# Altium PCB RK_NVR_DEMO1_RK3588_LP4XD200P232SD8_V21_20211228_final_lint.PcbDoc (part 24 of 29)
Units mm, origin at the board's own origin, x right, y up, seen from the top; angles counter-clockwise.
Board outline 170.08 x 169.98 mm, 8 copper layers (TOP, L2-GND1, L3-POWER1, L4-S1, L5-GND2, L6-S2, L7-GND3, BOTTOM), stack 2.118 mm thick; 1650 components, 1119 nets, 6165 pads, 15417 vias.
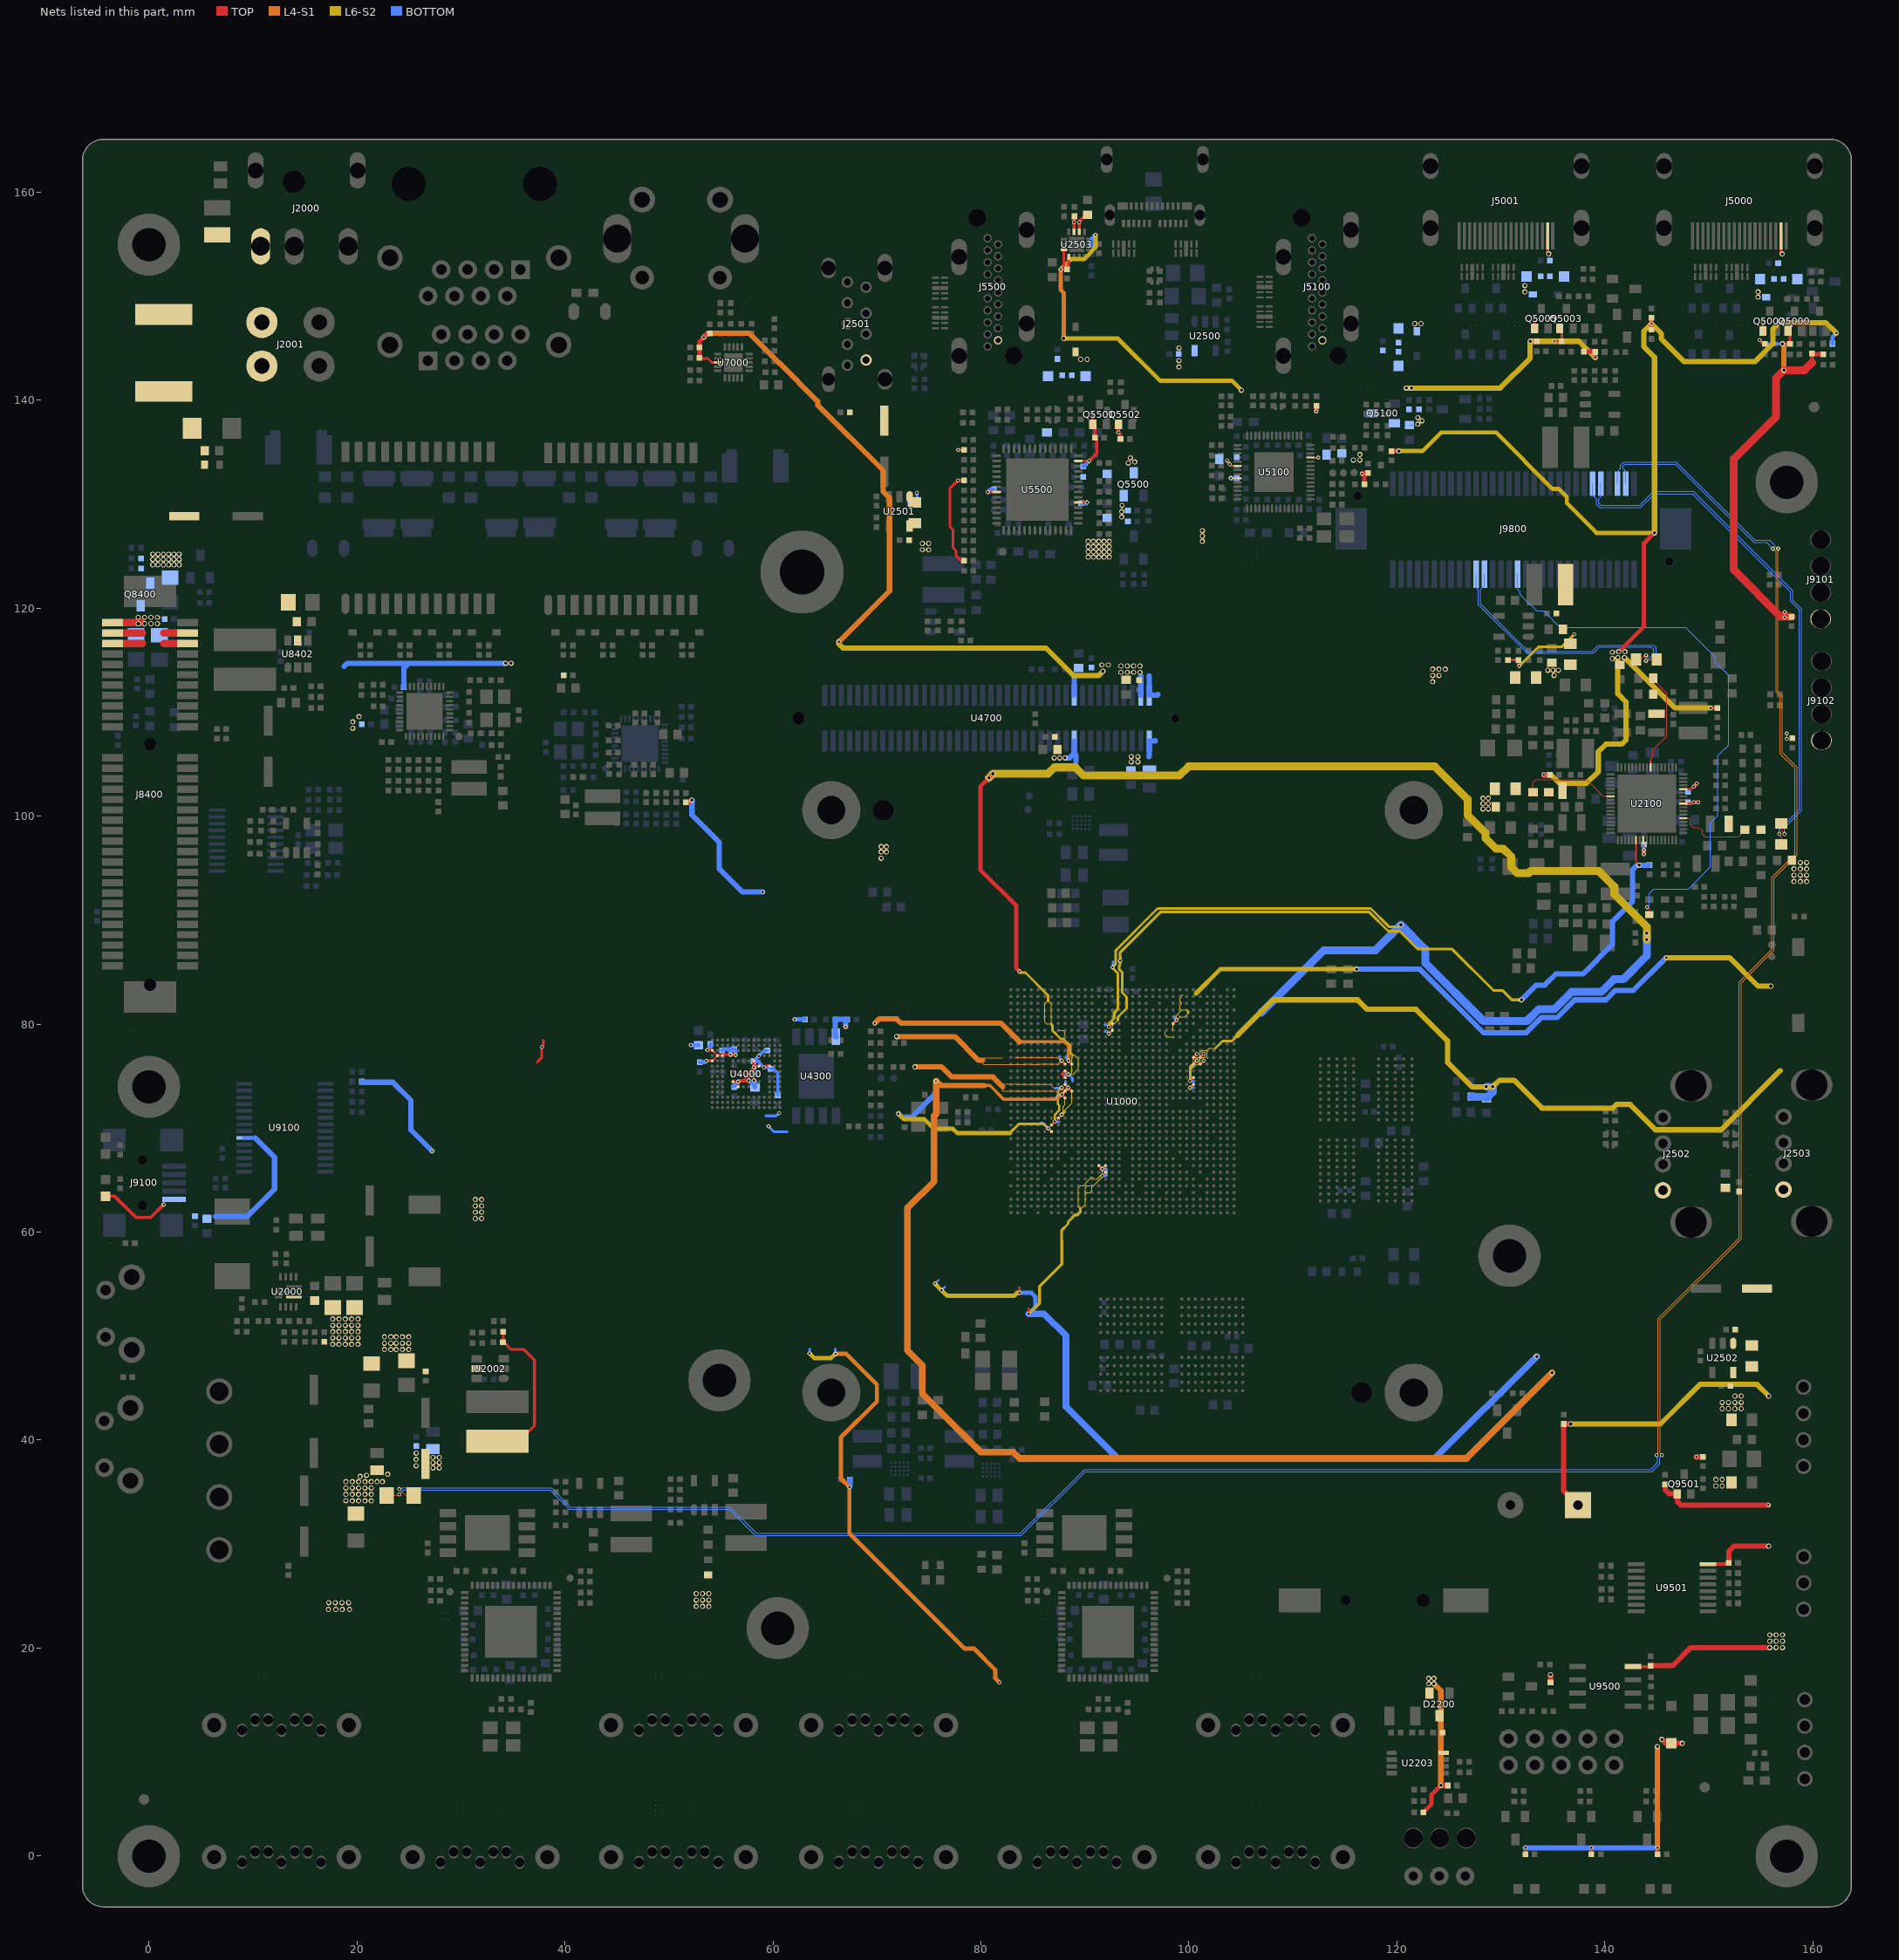
[diagram p30: the nets of this part, all layers, seen from the top]

## Via types
v1: diameter 0.4, hole 0.2, TOP to BOTTOM, 1688 vias
v2: diameter 0.4/0.4 (per signal layer), hole 0.2, TOP to L2-GND1, 1605 vias
v3: diameter 0/0/0/0/0/0/0/0.4 (per signal layer), hole 0.2, TOP to BOTTOM, 1253 vias
v4: diameter 0.4/0/0/0/0/0/0/0 (per signal layer), hole 0.2, TOP to BOTTOM, 1253 vias
v5: diameter 0.5, hole 0.3, TOP to BOTTOM, 857 vias
v6: diameter 0.4/0.4/0.4/0.4/0.4 (per signal layer), hole 0.2, L4-S1 to BOTTOM, 836 vias
v7: diameter 0/0/0/0/0/0/0/0.5 (per signal layer), hole 0.3, TOP to BOTTOM, 772 vias
v8: diameter 0.5/0/0/0/0/0/0/0 (per signal layer), hole 0.3, TOP to BOTTOM, 772 vias
v9: diameter 0.5/0.5 (per signal layer), hole 0.3, TOP to L2-GND1, 766 vias
v10: diameter 0.4/0.4 (per signal layer), hole 0.2, L7-GND3 to BOTTOM, 611 vias
v11: diameter 0.4/0.4/0.4/0.4 (per signal layer), hole 0.2, L5-GND2 to BOTTOM, 579 vias
v12: diameter 0.4 (per signal layer), hole 0.2, L6-S2 to L6-S2, 535 vias
v13: diameter 0.5/0.5/0.5/0.5/0.5 (per signal layer), hole 0.3, L4-S1 to BOTTOM, 457 vias
v14: diameter 0.5/0.5/0.5/0.5 (per signal layer), hole 0.3, L5-GND2 to BOTTOM, 455 vias
v15: diameter 0.4 (per signal layer), hole 0.2, L5-GND2 to L5-GND2, 418 vias
v16: diameter 0.5/0.5/0.5 (per signal layer), hole 0.3, TOP to L3-POWER1, 306 vias
v17: diameter 0.4 (per signal layer), hole 0.2, L4-S1 to L4-S1, 300 vias
v18: diameter 0.4/0.4/0.4 (per signal layer), hole 0.2, TOP to L3-POWER1, 287 vias
v19: diameter 0.5 (per signal layer), hole 0.3, L3-POWER1 to L3-POWER1, 242 vias
v20: diameter 0.5 (per signal layer), hole 0.3, L4-S1 to L4-S1, 240 vias
v21: diameter 0.5/0.5 (per signal layer), hole 0.3, L7-GND3 to BOTTOM, 192 vias
v22: diameter 0.5 (per signal layer), hole 0.3, L6-S2 to L6-S2, 166 vias
v23: diameter 0.4/0.4/0.4/0.4/0.4 (per signal layer), hole 0.2, TOP to L5-GND2, 134 vias
v24: diameter 0.5 (per signal layer), hole 0.3, L5-GND2 to L5-GND2, 114 vias
v25: diameter 0.5/0.5 (per signal layer), hole 0.3, L3-POWER1 to L4-S1, 111 vias
v26: diameter 0.4 (per signal layer), hole 0.2, L3-POWER1 to L3-POWER1, 93 vias
v27: diameter 0.4/0.4 (per signal layer), hole 0.2, L4-S1 to L5-GND2, 59 vias
v28: diameter 0.4/0.4/0/0/0.4/0/0.4/0.4 (per signal layer), hole 0.2, TOP to BOTTOM, 56 vias
v29: diameter 0.4/0/0/0.4/0/0/0/0.4 (per signal layer), hole 0.2, TOP to BOTTOM, 51 vias
v30: diameter 0.5/0.5 (per signal layer), hole 0.3, L4-S1 to L5-GND2, 46 vias
v31: diameter 0.4/0/0/0/0/0.4/0/0.4 (per signal layer), hole 0.2, TOP to BOTTOM, 42 vias
v32: diameter 0.5/0.5/0.5/0.5/0.5 (per signal layer), hole 0.3, TOP to L5-GND2, 32 vias
v33: diameter 0.4/0.4 (per signal layer), hole 0.2, L3-POWER1 to L4-S1, 29 vias
v34: diameter 0.4/0/0.4/0/0/0/0/0.4 (per signal layer), hole 0.2, TOP to BOTTOM, 29 vias
v35: diameter 0.4/0.4/0/0/0.4/0.4/0.4/0.4 (per signal layer), hole 0.2, TOP to BOTTOM, 21 vias
v36: diameter 0.5/0.5/0.5/0/0.5/0.5/0.5/0.5 (per signal layer), hole 0.3, TOP to BOTTOM, 4 vias
v37: diameter 0.5/0.5/0/0.5/0.5/0.5/0.5/0.5 (per signal layer), hole 0.3, TOP to BOTTOM, 3 vias
v38: diameter 0.4/0/0.4/0.4/0/0/0/0.4 (per signal layer), hole 0.2, TOP to BOTTOM, 2 vias
v39: diameter 0.4/0.4/0.4/0/0.4/0/0.4/0.4 (per signal layer), hole 0.2, TOP to BOTTOM, 1 vias

## Nets (pads, with @x,y where several pads share a name; then routed paths per layer and width w, separated by ;. In a path a pad name is that pad's centre, name@x,y a point inside that pad or via, vN(x,y) a via of type N, cw(c..) or ccw(c..) an arc to the next point about the centre after c; other vN are vias at no path point) (continued)
VCC5V0_SYS: C2035.1 C2503.1 C2506.1 C2511.1 C2517.1 C2518.1 C4700.1 C4701.1 D5000.1 D5002.1 D5003.1 D5005.1 D5100.1 D5101.1 D5500.1 D5501.1 J9800.5 Q5002.1 Q5005.1 R2001.1 R2024.2 R2513.1 R2526.1 R5010.1 R5022.1 R5120.1 R5540.1 R9900.1 R9905.1 U2500.5 U2501.5 U2502.5 U2503.12 U2503.13 U4700.77 U4700.79 | length 252.3
  TOP w0.102: R2024.2@22.872,34.684 23.969,34.684 v4(24.071,34.786)
  TOP w0.254: Q5005.1@133.245,146.905 v4(133.245,147.665) ; Q5002.1@155.191,146.651 v4(155.191,147.411)
  TOP w0.305: C2518.1@88.891,157.678 88.946,157.623 v4(88.946,157.112) U2503.13@88.946,156.188 ; U2503.12@89.446,156.188 89.446,157.17 C2517.1@90.009,157.733
  TOP w0.508: v4(148.792,38.385) R9905.1@149.445,38.385
  L4-S1 w0.102: v4(145.483,38.545) 145.33,38.697 145.33,51.6 153.103,59.373 153.103,83.96 156.252,87.11 156.252,94.018 158.487,96.254 158.487,104.686 157.065,106.109 157.065,111.595 156.659,112.002 v4(156.659,125.718)
  BOTTOM w0.102: v4(24.071,34.786) 24.477,35.192 38.599,35.192 40.428,33.363 55.77,33.363 58.31,30.823 83.896,30.823 90.042,36.97 144.517,36.97 145.279,37.732 145.279,38.342 v4(145.483,38.545) ; J9800.5@141.208,131.973 141.208,133.127 141.52,133.439 141.52,133.744 141.825,134.049 146.888,134.049 154.406,126.53 155.846,126.53 v4(156.659,125.718)
  BOTTOM w0.508: U4700.77@95.37,111.636 95.37,113.451 95.394,113.475 ; 96.156,113.475 96.169,113.461 U4700.79@96.169,111.636 96.984,111.636 97.045,111.697
  other v3: 24.071,34.786 148.792,38.385 145.483,38.545 156.659,125.718 155.191,147.411 133.245,147.665 88.946,157.112 89.454,157.112
  other v4: 89.454,157.112
  other v7: 19.549,34.151 20.159,34.151 20.769,34.151 21.378,34.151 18.94,34.176 18.94,34.786 19.549,34.786 20.159,34.786 20.769,34.786 21.378,34.786 18.94,35.395 19.549,35.395 20.159,35.395 20.769,35.395 21.378,35.395 18.94,36.005 19.549,36.005 20.159,36.005 20.769,36.005 21.378,36.005 21.937,36.005 22.445,36.005 20.311,36.512 20.921,36.614 22.953,36.716 151.274,43.015 151.883,43.015 152.493,43.015 153.103,43.015 151.274,43.625 151.883,43.625 152.493,43.625 153.103,43.625 152.493,44.234 153.103,44.234 93.463,113.83 94.073,113.83 94.683,113.83 95.292,113.83 93.463,114.44 94.073,114.44 94.683,114.44 95.292,114.44 90.314,124.905 90.822,124.905 91.33,124.905 91.838,124.905 92.346,124.905 90.314,125.413 90.822,125.413 91.33,125.413 91.838,125.413 92.346,125.413 74.363,125.616 74.972,125.616 90.314,125.921 90.822,125.921 91.33,125.921 91.838,125.921 92.346,125.921 74.363,126.226 74.972,126.226 90.314,126.429 90.822,126.429 91.33,126.429 91.838,126.429 92.346,126.429 99.052,143.193 99.051,143.802 89.603,143.919 90.212,143.92 99.052,145.022 121.708,147.358 122.318,147.358 154.728,149.898 132.3,150.406 154.728,150.406 132.3,151.016
  other v8: 19.549,34.151 20.159,34.151 20.769,34.151 21.378,34.151 18.94,34.176 18.94,34.786 19.549,34.786 20.159,34.786 20.769,34.786 21.378,34.786 18.94,35.395 19.549,35.395 20.159,35.395 20.769,35.395 21.378,35.395 18.94,36.005 19.549,36.005 20.159,36.005 20.769,36.005 21.378,36.005 21.937,36.005 22.445,36.005 20.311,36.512 20.921,36.614 22.953,36.716 151.274,43.015 151.883,43.015 152.493,43.015 153.103,43.015 151.274,43.625 151.883,43.625 152.493,43.625 153.103,43.625 152.493,44.234 153.103,44.234 93.463,113.83 94.073,113.83 94.683,113.83 95.292,113.83 93.463,114.44 94.073,114.44 94.683,114.44 95.292,114.44 90.314,124.905 90.822,124.905 91.33,124.905 91.838,124.905 92.346,124.905 90.314,125.413 90.822,125.413 91.33,125.413 91.838,125.413 92.346,125.413 74.363,125.616 74.972,125.616 90.314,125.921 90.822,125.921 91.33,125.921 91.838,125.921 92.346,125.921 74.363,126.226 74.972,126.226 90.314,126.429 90.822,126.429 91.33,126.429 91.838,126.429 92.346,126.429 99.052,143.193 99.051,143.802 89.603,143.919 90.212,143.92 99.052,145.022 121.708,147.358 122.318,147.358 154.728,149.898 132.3,150.406 154.728,150.406 132.3,151.016
  other v17: 145.483,38.545 156.659,125.718 88.946,157.112 89.454,157.112
  other v19: 19.549,34.151 20.159,34.151 20.769,34.151 21.378,34.151 18.94,34.176 18.94,34.786 19.549,34.786 20.159,34.786 20.769,34.786 21.378,34.786 18.94,35.395 19.549,35.395 20.159,35.395 20.769,35.395 21.378,35.395 18.94,36.005 19.549,36.005 20.159,36.005 20.769,36.005 21.378,36.005 21.937,36.005 22.445,36.005 20.311,36.512 20.921,36.614 22.953,36.716 151.274,43.015 151.883,43.015 152.493,43.015 153.103,43.015 151.274,43.625 151.883,43.625 152.493,43.625 153.103,43.625 152.493,44.234 153.103,44.234 74.363,125.616 74.972,125.616 74.363,126.226 74.972,126.226 99.052,143.193 99.051,143.802 99.052,145.022 121.708,147.358 122.318,147.358 154.728,149.898 132.3,150.406 154.728,150.406 132.3,151.016
  other v20: 93.463,113.83 94.073,113.83 94.683,113.83 95.292,113.83 93.463,114.44 94.073,114.44 94.683,114.44 95.292,114.44
  other v25: 90.314,124.905 90.822,124.905 91.33,124.905 91.838,124.905 92.346,124.905 90.314,125.413 90.822,125.413 91.33,125.413 91.838,125.413 92.346,125.413 90.314,125.921 90.822,125.921 91.33,125.921 91.838,125.921 92.346,125.921 90.314,126.429 90.822,126.429 91.33,126.429 91.838,126.429 92.346,126.429 89.603,143.919 90.212,143.92
  other v26: 24.071,34.786 148.792,38.385 155.191,147.411
VCC5V0_SYS_P: C2031.1 C2032.1 C2033.1 C2034.1 J9800.3 L2002.2 R2022.1 R2024.1 | length 256.6
  TOP w0.102: v4(24.071,35.294) 24.68,34.684 R2024.1@25.472,34.684
  TOP w0.254: L2002.2@33.519,39.896 35.582,39.896 37.075,41.39 37.075,47.689 36.059,48.705 34.84,48.705 34.136,49.409 R2022.1@34.034,49.409 34.071,49.446 C2031.1@34.071,50.432
  L4-S1 w0.102: v4(144.975,38.545) 145.127,38.697 145.127,51.685 152.899,59.457 152.899,84.044 156.049,87.194 156.049,94.103 158.284,96.338 158.284,104.585 156.862,106.007 156.862,111.511 156.455,111.917 156.455,125.413 v4(156.151,125.718)
  BOTTOM w0.102: v4(24.071,35.294) 24.274,35.294 24.375,35.395 38.701,35.395 40.53,33.566 55.871,33.566 58.411,31.026 83.811,31.026 89.958,37.173 144.416,37.173 145.076,37.834 145.076,38.443 v4(144.975,38.545) ; J9800.3@142.008,131.973 142.008,133.155 141.723,133.439 141.723,133.642 141.927,133.846 146.803,133.846 154.322,126.327 155.541,126.327 v4(156.151,125.718)
  other v3: 24.071,35.294 144.975,38.545 156.151,125.718
  other v7: 27.322,37.326 27.931,37.326 25.696,37.529 27.322,37.834 27.931,37.834 25.696,38.138 27.322,38.342 27.931,38.342 25.696,38.748
  other v8: 27.322,37.326 27.931,37.326 25.696,37.529 27.322,37.834 27.931,37.834 25.696,38.138 27.322,38.342 27.931,38.342 25.696,38.748
  other v17: 144.975,38.545 156.151,125.718
VCC5V0_USB20_HOST: C2512.1 C2513.1 C2515.1 J2502.1 J2503.1 R2526.2 R2529.1 U2502.1
VCC5V0_USB30_HOST2: C2507.1 C2508.1 J2501.1 R2513.2 R2515.1 U2501.1 | length 1.5
  BOTTOM w0.254: R2515.1@73.245,130.043 73.601,130.043 73.855,130.297 v4(73.855,131.102)
  other v3: 73.855,131.102
VCC5V_FT232_DEBUG: C9102.1 C9103.1 J9100.1 LED9100.1 U9100.20 | length 20.5
  TOP w0.305: LED9100.1@-4.174,63.449 -3.284,63.449 -1.24,61.405 0.171,61.405 v4(1.414,62.648)
  BOTTOM w0.305: U9100.20@9.159,69.057 10.22,69.057
  BOTTOM w0.508: 6.392,61.495 9.429,61.495 12.082,64.148 12.082,67.196 10.22,69.057
  other v3: 1.414,62.648
VCC5V_HDMI_TX0: C5000.1 D5002.2 J5000.18 R5010.2 | length 1.8
  TOP w0.305: J5000.18@156.937,155.791 156.937,154.174 v8(157.047,154.064)
  other v7: 157.047,154.064
VCC5V_HDMI_TX1: C5001.1 D5005.2 J5001.18 R5022.2 | length 1.8
  TOP w0.305: J5001.18@134.483,155.791 134.483,154.174 v8(134.594,154.064)
  other v7: 134.594,154.064
VCC5V_HDMI_TX2: C5102.1 D5100.2 J5100.18 R5120.2
VCC5V_HDMI_TX3: C5502.1 D5500.2 J5500.18 R5540.2
VCC12V_DCIN: C2000.1 C2001.1 C2007.1 C2009.1 C2010.1 C2027.1 C2028.1 C4702.1 C4703.1 C8429.1 C8430.1 C8432.1 C8433.1 D2000.2 F2000.2 Q8400.2 R2002.1 R2003.1 R2004.1 R8428.1 R9901.1 U2000.1 U2002.5 U4700.80 U8402.5 | length 2.1
  BOTTOM w0.508: 96.156,105.728 96.169,105.741 U4700.80@96.169,107.236 96.775,107.236 96.791,107.252
  other v7: 17.263,23.711 17.975,23.711 18.584,23.711 19.295,23.711 17.289,24.372 17.924,24.372 18.559,24.372 19.194,24.372 150.664,35.598 151.274,35.598 150.664,36.208 151.274,36.208 22.648,48.705 23.258,48.705 23.766,48.705 24.375,48.705 24.985,48.705 17.67,49.213 18.279,49.213 18.889,49.213 19.499,49.213 20.108,49.213 22.648,49.314 23.258,49.314 23.766,49.314 24.375,49.314 24.985,49.314 17.67,49.822 18.279,49.822 18.889,49.822 19.499,49.822 20.108,49.822 22.648,49.924 23.258,49.924 23.766,49.924 24.375,49.924 24.985,49.924 17.67,50.432 18.279,50.432 18.889,50.432 19.499,50.432 20.108,50.432 17.67,51.042 18.279,51.042 18.889,51.042 19.499,51.042 20.108,51.042 17.67,51.651 18.279,51.651 18.889,51.651 19.499,51.651 20.108,51.651 94.454,105.22 95.089,105.22 94.454,105.728 95.089,105.728 0.372,124.168 0.88,124.168 1.388,124.168 1.896,124.168 2.404,124.168 2.912,124.168 0.372,124.676 0.88,124.676 1.388,124.676 1.896,124.676 2.404,124.676 2.912,124.676 0.372,125.184 0.88,125.184 1.388,125.184 1.896,125.184 2.404,125.184 2.912,125.184
  other v8: 17.263,23.711 17.975,23.711 18.584,23.711 19.295,23.711 17.289,24.372 17.924,24.372 18.559,24.372 19.194,24.372 150.664,35.598 151.274,35.598 150.664,36.208 151.274,36.208 22.648,48.705 23.258,48.705 23.766,48.705 24.375,48.705 24.985,48.705 17.67,49.213 18.279,49.213 18.889,49.213 19.499,49.213 20.108,49.213 22.648,49.314 23.258,49.314 23.766,49.314 24.375,49.314 24.985,49.314 17.67,49.822 18.279,49.822 18.889,49.822 19.499,49.822 20.108,49.822 22.648,49.924 23.258,49.924 23.766,49.924 24.375,49.924 24.985,49.924 17.67,50.432 18.279,50.432 18.889,50.432 19.499,50.432 20.108,50.432 17.67,51.042 18.279,51.042 18.889,51.042 19.499,51.042 20.108,51.042 17.67,51.651 18.279,51.651 18.889,51.651 19.499,51.651 20.108,51.651 94.454,105.22 95.089,105.22 94.454,105.728 95.089,105.728 0.372,124.168 0.88,124.168 1.388,124.168 1.896,124.168 2.404,124.168 2.912,124.168 0.372,124.676 0.88,124.676 1.388,124.676 1.896,124.676 2.404,124.676 2.912,124.676 0.372,125.184 0.88,125.184 1.388,125.184 1.896,125.184 2.404,125.184 2.912,125.184
  other v19: 150.664,35.598 151.274,35.598 150.664,36.208 151.274,36.208
  other v20: 22.648,48.705 23.258,48.705 23.766,48.705 24.375,48.705 24.985,48.705 17.67,49.213 18.279,49.213 18.889,49.213 19.499,49.213 20.108,49.213 22.648,49.314 23.258,49.314 23.766,49.314 24.375,49.314 24.985,49.314 17.67,49.822 18.279,49.822 18.889,49.822 19.499,49.822 20.108,49.822 22.648,49.924 23.258,49.924 23.766,49.924 24.375,49.924 24.985,49.924 17.67,50.432 18.279,50.432 18.889,50.432 19.499,50.432 20.108,50.432 17.67,51.042 18.279,51.042 18.889,51.042 19.499,51.042 20.108,51.042 17.67,51.651 18.279,51.651 18.889,51.651 19.499,51.651 20.108,51.651 0.372,124.168 0.88,124.168 1.388,124.168 1.896,124.168 2.404,124.168 2.912,124.168 0.372,124.676 0.88,124.676 1.388,124.676 1.896,124.676 2.404,124.676 2.912,124.676 0.372,125.184 0.88,125.184 1.388,125.184 1.896,125.184 2.404,125.184 2.912,125.184
  other v22: 94.454,105.22 95.089,105.22 94.454,105.728 95.089,105.728 0.372,124.168 0.88,124.168 1.388,124.168 1.896,124.168 2.404,124.168 2.912,124.168 0.372,124.676 0.88,124.676 1.388,124.676 1.896,124.676 2.404,124.676 2.912,124.676 0.372,125.184 0.88,125.184 1.388,125.184 1.896,125.184 2.404,125.184 2.912,125.184
  other v25: 17.263,23.711 17.975,23.711 18.584,23.711 19.295,23.711 17.289,24.372 17.924,24.372 18.559,24.372 19.194,24.372
VCC12V_PCIE30: C8409.1 C8410.1 C8431.1 J8400.A2 J8400.A3 J8400.B1 J8400.B2 J8400.B3 Q8400.3 | length 13.2
  TOP w0.711: J8400.B3@-3.495,116.599 -0.618,116.599 ; J8400.B2@-3.495,117.599 -0.618,117.599 ; J8400.B1@-3.495,118.599 v7@-0.618,118.599 ; 1.414,116.599 J8400.A3@3.705,116.599 ; 1.414,117.599 J8400.A2@3.705,117.599
  other v7: -1.025,118.504 -0.415,118.504 0.195,118.504 0.804,118.504 -1.025,119.114 -0.415,119.114 0.195,119.114 0.804,119.114
  other v8: -1.025,118.504 -0.415,118.504 0.195,118.504 0.804,118.504 -1.025,119.114 -0.415,119.114 0.195,119.114 0.804,119.114
VCC12VDC: F2000.1 J2000.1 J2001.3 J2001.4 R2000.1
VCC_1V1_NLDO: C2024.1 C2167.1 C2171.1 R2010.2 R2014.2 U2100.9 U2100.13 | length 4.2
  TOP w0.203: U2100.9@147.538,101.203 148.298,101.203 148.426,101.331 v4(148.556,101.331) ; U2100.13@147.538,102.603 148.301,102.603 v4(148.543,102.845)
  TOP w0.381: v4(148.543,102.845) v4(148.835,103.137) ; v4(148.556,101.331) v4(148.962,101.331)
  BOTTOM w0.102: C2167.1@147.914,102.35 C2167.1@148.015,102.35 148.048,102.35 v4(148.543,102.845) v4(148.835,103.137)
  other v3: 148.556,101.331 148.962,101.331 148.543,102.845 148.835,103.137
  other v7: 135.119,113.526 134.51,114.034 135.018,114.034 135.526,114.034
  other v8: 135.119,113.526 134.51,114.034 135.018,114.034 135.526,114.034
VCC_1V1_NLDO_P: C2021.1 C2022.1 C2023.1 L2001.2 R2010.1 R2012.1 | length 8.1
  TOP w0.254: C2021.1@130.689,115.006 R2012.1@131.673,115.006 131.673,114.533 v4(131.767,114.44)
  L6-S2 w0.254: v4(131.767,114.44) 133.595,116.269 135.831,116.269 v4(137.05,117.488)
  other v3: 131.767,114.44 137.05,117.488
  other v12: 131.767,114.44 137.05,117.488
VCC_1V8: C1107.1 C1112.1 C1300.1 C1301.1 C1505.1 C1506.1 C1902.1 C1903.1 C2149.1 C3843.1 C4000.1 C4001.1 C4002.1 C4003.1 C4004.1 C4300.1 C4301.1 C4704.1 C4705.1 C7006.1 C7007.1 J9800.40 R1500.1 R1501.1 R1913.1 R1914.1 R1915.1 R1916.1 R2130.1 R2137.1 R2138.1 R3803.2 R4000.1 R4001.1 R4002.1 R4300.1 R4301.1 R5000.1 R5005.1 R5014.1 R5017.1 R5135.1 R6730.1 R7002.1 U1000.AA7 U1000.AC25 U1000.G20 U1000.H20 U1000.H21 U1000.N28 U1000.R27 U1000.V26 U1000.W25 U1000.Y26 U4000.C6 U4000.M4 U4000.N4 U4000.P3 U4000.P5 U4300.8 U4700.61 U7000.3 | length 608.3
  TOP w0.102: R2130.1@142.984,115.075 143.476,115.075 143.857,115.456 v4(143.959,115.456)
  TOP w0.203: U4000.P5@54.169,76.469 U4000.N4@54.668,76.969 ; U4000.P3@54.169,77.469 54.352,77.286 U4000.N4@54.668,76.969 ; v4(83.71,54.166) R1913.1@83.71,54.678 ; v4(84.599,52.134) R1914.1@84.599,52.646
  TOP w0.254: R1500.1@37.326,76.34 37.787,76.801 v4(37.787,77.813) 37.935,77.962 R1501.1@37.935,78.474 ; C7007.1@52.943,144.082 53.019,144.006 53.738,144.006 54.119,143.625 U7000.3@54.701,143.625 ; v4(53.611,76.465) 54.164,76.465 U4000.P5@54.169,76.469 ; v4(53.712,77.514) 54.124,77.514 U4000.P3@54.169,77.469 ; U4000.N4@54.668,76.969 U4000.M4@55.169,76.969 55.276,77.077 v4(55.922,77.077) 56.354,77.077 v4(56.405,77.026) ; v4(59.136,75.843) 59.263,75.969 U4000.C6@59.668,75.969 ; v4(86.466,69.981) U1000.N28@86.791,69.656 ; U1000.R27@87.441,70.956 v4(87.766,71.281) ; v4(87.766,73.231) U1000.V26@88.091,72.906 ; U1000.Y26@88.091,74.206 v4(88.416,73.881) U1000.W25@88.74,73.556 ; v4(88.416,76.481) U1000.AC25@88.74,76.156 ; U1000.H21@91.341,66.406 v4(91.666,66.081) ; v4(91.666,65.431) U1000.G20@91.991,65.756 v4(91.666,66.081) ; U1000.H20@91.991,66.406 v4(91.666,66.081) ; v4(100.116,74.531) U1000.AA7@100.44,74.856
  TOP w0.406: R6730.1@51.613,101.328 52.005,101.328 v8(52.214,101.537) ; C7007.1@52.943,144.082 C7006.1@52.943,145.072 52.943,145.631 v4(53.341,146.028) 53.712,146.4 R7002.1@53.941,146.4 ; R5135.1@119.473,135.108 v8(120.184,135.108) ; v8(141.317,115.812) 143.755,118.25 143.755,126.226 v8(144.771,127.242) ; R5014.1@144.467,146.792 v4(144.467,147.358) R5017.1@144.467,147.924 ; v4(150.189,110.394) R2137.1@150.817,110.394
  TOP w0.508: v4(134.129,103.977) R2138.1@134.695,103.977
  L4-S1 w0.305: 80.328,74.105 80.865,74.105 82.186,72.784 87.319,72.784 v4(87.766,73.231) v4(88.416,73.881) ; 83.724,78.296 88.028,78.296 88.416,77.908 v4(88.416,76.481)
  L4-S1 w0.508: v4(53.341,146.028) 53.756,146.444 57.7,146.444 60.545,143.599 60.596,143.599 64.304,139.891 64.304,139.535 70.603,133.236 70.603,131.204 71.213,130.594 71.213,121.654 v4(66.336,116.777) ; v4(69.791,80.074) 70.222,80.506 71.899,80.506 72.331,80.074 81.946,80.074 83.724,78.296 ; v4(75.683,74.511) 75.785,74.511 76.191,74.105 80.328,74.105
  L4-S1 w0.635: v4(75.683,74.511) 75.683,71.362 75.48,71.158 75.48,64.859 72.94,62.319 72.94,48.603 74.363,47.181 74.363,44.463 79.976,38.85 83.1,38.85 83.71,38.24 126.687,38.24 v8(134.916,46.47)
  L6-S2 w0.089: v4(87.766,71.281) 87.766,71.43 87.901,71.565 ; 89.808,64.455 89.581,64.455 89.391,64.265 89.391,62.768 89.39,62.767 89.39,62.456 89.552,62.294 89.679,62.294 90.041,62.656 90.041,62.696 90.041,63.64 ; 89.809,64.456 89.85,64.456 90.04,64.646 90.04,64.687 90.65,65.297 90.691,65.297 90.881,65.106 91.15,65.106 91.475,65.431 v4(91.666,65.431) ; v4(91.666,66.081) v4(91.666,65.431) ; 100.116,75.525 100.728,76.137 100.88,76.137 101.091,76.347 101.091,76.661 101.236,76.805 ; 100.116,75.652 100.441,75.977 100.441,76.615 100.631,76.805 101.109,76.805 ; 102.506,77.661 101.967,77.661 101.783,77.477 ; 87.901,71.565 87.901,72.073 88.09,72.262 88.09,72.906 v4(87.766,73.231) v4(88.416,73.881) 88.74,73.556 88.74,72.404 87.901,71.565 ; 90.041,63.64 90.207,63.806 90.5,63.806 90.69,63.997 90.69,64.265 90.675,64.28 90.675,64.319 90.72,64.364 90.72,64.453 ; 90.041,63.64 90.041,64.265 90.231,64.456 90.5,64.456 90.503,64.453 90.72,64.453 ; 90.72,64.453 90.822,64.453 91.666,65.297 v4(91.666,65.431) ; 101.109,76.805 101.236,76.805 ; 101.109,76.805 101.109,76.979 101.091,76.996 101.091,77.265 101.303,77.477 101.783,77.477 ; 101.236,76.805 101.549,76.805 101.741,76.997 101.741,77.265 101.783,77.307 101.783,77.477

## Text inside footprints (layer, text, board x,y; h text height)
L2100: PIN_NUMBER "2" at 141.596,108.054 h0.25 r270; PIN_NUMBER "1" at 141.596,109.853 h0.25 r270; ASSEMBLY_TOP "0.47uH" at 141.215,108.954 h0.25 r90
L2101: PIN_NUMBER "1" at 138.529,95.746 h0.25 r180; PIN_NUMBER "2" at 136.129,95.746 h0.25 r180; ASSEMBLY_TOP "0.22uH" at 136.821,95.619 h0.25
L2102: PIN_NUMBER "2" at 137.619,99.378 h0.25; PIN_NUMBER "1" at 135.82,99.378 h0.25; ASSEMBLY_TOP "0.47uH" at 136.212,99.251 h0.25
L2103: PIN_NUMBER "1" at 138.275,106.033 h0.25 r180; PIN_NUMBER "2" at 135.875,106.033 h0.25 r180; ASSEMBLY_TOP "0.22uH" at 136.567,105.906 h0.25
L2104: PIN_NUMBER "2" at 148.748,95.441 h0.25 r180; PIN_NUMBER "1" at 150.548,95.441 h0.25 r180; ASSEMBLY_TOP "0.47uH" at 149.14,95.314 h0.25
L2105: PIN_NUMBER "1" at 140.885,94.914 h0.25 r270; PIN_NUMBER "2" at 140.885,92.513 h0.25 r270; ASSEMBLY_TOP "0.22uH" at 140.504,93.714 h0.25 r90
L2106: PIN_NUMBER "2" at 150.018,99.251 h0.25 r180; PIN_NUMBER "1" at 151.818,99.251 h0.25 r180; ASSEMBLY_TOP "0.47uH" at 150.41,99.124 h0.25
L2107: PIN_NUMBER "1" at 148.378,108.007 h0.25 r90; PIN_NUMBER "2" at 148.378,110.408 h0.25 r90; ASSEMBLY_TOP "0.22uH" at 147.997,109.208 h0.25 r90
L2108: PIN_NUMBER "2" at 144.848,108.054 h0.25 r270; PIN_NUMBER "1" at 144.848,109.853 h0.25 r270; ASSEMBLY_TOP "0.47uH" at 144.467,108.954 h0.25 r90
L2109: PIN_NUMBER "1" at 137.619,102.451 h0.25 r180; PIN_NUMBER "2" at 135.82,102.451 h0.25 r180; ASSEMBLY_TOP "0.47uH" at 136.212,102.324 h0.25
L2200: PIN_NUMBER "1" at 77.817,37.954 h0.25 r90; PIN_NUMBER "2" at 77.817,40.355 h0.25 r90; ASSEMBLY_TOP "0.22uH" at 77.792,37.884 h0.25 r90
L2201: PIN_NUMBER "1" at 68.978,37.954 h0.25 r90; PIN_NUMBER "2" at 68.978,40.355 h0.25 r90; ASSEMBLY_TOP "0.22uH" at 68.952,37.884 h0.25 r90
L2202: PIN_NUMBER "2" at 92.651,96.273 h0.25 r270; PIN_NUMBER "1" at 92.651,98.673 h0.25 r270; ASSEMBLY_TOP "0.22uH" at 92.879,98.743 h0.25 r270
L2500: PIN_NUMBER "4" at 96.888,151.356 h0.25 r270; PIN_NUMBER "2" at 96.338,151.356 h0.25 r270; PIN_NUMBER "1" at 96.338,152.606 h0.25 r270; PIN_NUMBER "3" at 96.888,152.606 h0.25 r270; ASSEMBLY_TOP "NC" at 96.638,151.981 h0.25 r90
L2501: PIN_NUMBER "3" at 73.681,144.326 h0.25 r270; PIN_NUMBER "1" at 74.231,144.326 h0.25 r270; PIN_NUMBER "2" at 74.231,143.076 h0.25 r270; PIN_NUMBER "4" at 73.681,143.076 h0.25 r270; ASSEMBLY_TOP "NC" at 73.982,143.701 h0.25 r270
L2502: PIN_NUMBER "1" at 140.692,68.323 h0.25 r90; PIN_NUMBER "3" at 140.142,68.323 h0.25 r90; PIN_NUMBER "4" at 140.142,69.574 h0.25 r90; PIN_NUMBER "2" at 140.692,69.574 h0.25 r90; ASSEMBLY_TOP "NC" at 140.442,68.949 h0.25 r90
L2503: PIN_NUMBER "1" at 152.249,68.298 h0.25 r90; PIN_NUMBER "3" at 151.699,68.298 h0.25 r90; PIN_NUMBER "2" at 152.249,69.548 h0.25 r90; PIN_NUMBER "4" at 151.699,69.548 h0.25 r90; ASSEMBLY_TOP "NC" at 151.999,68.923 h0.25 r90
L5100: PIN_NUMBER "2" at 108.212,139.291 h0.25 r270; PIN_NUMBER "4" at 108.762,139.291 h0.25 r270; PIN_NUMBER "1" at 108.212,140.541 h0.25 r270; PIN_NUMBER "3" at 108.762,140.541 h0.25 r270; ASSEMBLY_TOP "NC" at 108.512,139.916 h0.25 r90
L5101: PIN_NUMBER "2" at 134.635,135.471 h0.25 r180; PIN_NUMBER "1" at 137.635,135.471 h0.25 r180; ASSEMBLY_TOP "2.2uH" at 135.729,135.344 h0.25
L5500: PIN_NUMBER "1" at 86.56,139.246 h0.25 r270; PIN_NUMBER "4" at 87.111,137.996 h0.25 r270; PIN_NUMBER "2" at 86.56,137.996 h0.25 r270; PIN_NUMBER "3" at 87.111,139.246 h0.25 r270; ASSEMBLY_TOP "NC" at 86.861,138.621 h0.25 r90
L5501: PIN_NUMBER "1" at 76.293,121.271 h0.25 r90; PIN_NUMBER "2" at 76.293,124.271 h0.25 r90; ASSEMBLY_TOP "2.2uH" at 76.014,122.771 h0.25 r270
L6700: PIN_NUMBER "1" at 43.527,101.901 h0.25; PIN_NUMBER "2" at 43.527,99.801 h0.25; ASSEMBLY_TOP "2.2uH" at 43.121,100.724 h0.25
L6800: PIN_NUMBER "1" at 30.675,104.72 h0.25; PIN_NUMBER "2" at 30.675,102.62 h0.25; ASSEMBLY_TOP "2.2uH" at 30.268,103.543 h0.25
L8200: PIN_NUMBER "2" at 57.314,30.105 h0.25 r270; PIN_NUMBER "1" at 57.314,33.105 h0.25 r270; ASSEMBLY_TOP "2.2uH" at 57.034,31.605 h0.25 r90
L8201: PIN_NUMBER "2" at 46.29,29.953 h0.25 r270; PIN_NUMBER "1" at 46.29,32.953 h0.25 r270; ASSEMBLY_TOP "2.2uH" at 46.011,31.453 h0.25 r90
L8400: PIN_NUMBER "2" at 9.135,113.15 h0.25 r270; PIN_NUMBER "1" at 9.135,116.949 h0.25 r270; ASSEMBLY_TOP "4.7uH" at 8.729,114.923 h0.25
LED2000: PIN_NUMBER "2" at -4.276,69.114 h0.25 r90; PIN_NUMBER "1" at -4.276,67.513 h0.25 r90; Top Overlay "LED_GREEN" at -4.174,68.314 h0.25 r90; ASSEMBLY_TOP "LED_GREEN" at -4.962,68.314 h0.25 r90
LED9000: PIN_NUMBER "2" at 131.551,-3.146 h0.25 r180; PIN_NUMBER "1" at 133.151,-3.146 h0.25 r180; Top Overlay "LED_BLUE" at 132.452,-3.146 h0.25 r180; ASSEMBLY_TOP "LED_BLUE" at 131.64,-3.273 h0.25
LED9001: PIN_NUMBER "2" at 144.251,-3.146 h0.25 r180; PIN_NUMBER "1" at 145.851,-3.146 h0.25 r180; Top Overlay "LED_GREEN" at 145.152,-3.146 h0.25 r180; ASSEMBLY_TOP "LED_GREEN" at 144.238,-3.273 h0.25
LED9002: PIN_NUMBER "2" at 137.901,-3.146 h0.25 r180; PIN_NUMBER "1" at 139.501,-3.146 h0.25 r180; Top Overlay "LED_GREEN" at 138.802,-3.146 h0.25 r180; ASSEMBLY_TOP "LED_GREEN" at 137.888,-3.273 h0.25
LED9100: PIN_NUMBER "1" at -4.276,63.449 h0.25 r90; PIN_NUMBER "2" at -4.276,65.05 h0.25 r90; Top Overlay "LED_RED" at -4.174,64.25 h0.25 r90; ASSEMBLY_TOP "LED_RED" at -4.758,64.25 h0.25 r90
M9900: PIN_NUMBER "1" at 159.716,139.332 h0.99 r180
M9901: PIN_NUMBER "1" at 149.197,6.613 h0.99 r180
M9902: PIN_NUMBER "1" at 149.197,6.613 h0.99
M9903: PIN_NUMBER "1" at 159.716,139.332 h0.99
M9904: PIN_NUMBER "1" at -0.866,5.445 h0.99
M9905: PIN_NUMBER "1" at -0.866,5.445 h0.99 r180
Q1700: PIN_NUMBER "2" at 151.241,144.376 h0.25 r180; PIN_NUMBER "1" at 152.541,144.376 h0.25 r180; PIN_NUMBER "3" at 151.891,146.276 h0.25 r180; ASSEMBLY_TOP "WNM6002-3/TR" at 150.9,145.326 h0.25 r270
Q1701: PIN_NUMBER "2" at 148.269,148.847 h0.25 r180; PIN_NUMBER "1" at 149.569,148.847 h0.25 r180; PIN_NUMBER "3" at 148.919,150.747 h0.25 r180; ASSEMBLY_TOP "WNM6002-3/TR" at 147.929,149.797 h0.25 r270
Q1702: PIN_NUMBER "2" at 148.269,144.427 h0.25 r180; PIN_NUMBER "1" at 149.569,144.427 h0.25 r180; PIN_NUMBER "3" at 148.919,146.327 h0.25 r180; ASSEMBLY_TOP "WNM6002-3/TR" at 147.929,145.377 h0.25 r270
Q1703: PIN_NUMBER "2" at 151.241,148.847 h0.25 r180; PIN_NUMBER "1" at 152.541,148.847 h0.25 r180; PIN_NUMBER "3" at 151.891,150.747 h0.25 r180; ASSEMBLY_TOP "WNM6002-3/TR" at 150.9,149.797 h0.25 r270
Q1704: PIN_NUMBER "2" at 128.787,144.376 h0.25 r180; PIN_NUMBER "1" at 130.087,144.376 h0.25 r180; PIN_NUMBER "3" at 129.437,146.276 h0.25 r180; ASSEMBLY_TOP "WNM6002-3/TR" at 128.447,145.326 h0.25 r270
Q1705: PIN_NUMBER "2" at 125.816,148.847 h0.25 r180; PIN_NUMBER "3" at 126.466,150.747 h0.25 r180; PIN_NUMBER "1" at 127.116,148.847 h0.25 r180; ASSEMBLY_TOP "WNM6002-3/TR" at 125.475,149.797 h0.25 r270
Q1706: PIN_NUMBER "2" at 125.816,144.427 h0.25 r180; PIN_NUMBER "1" at 127.116,144.427 h0.25 r180; PIN_NUMBER "3" at 126.466,146.327 h0.25 r180; ASSEMBLY_TOP "WNM6002-3/TR" at 125.475,145.377 h0.25 r270
Q1707: PIN_NUMBER "2" at 128.787,148.847 h0.25 r180; PIN_NUMBER "1" at 130.087,148.847 h0.25 r180; PIN_NUMBER "3" at 129.437,150.747 h0.25 r180; ASSEMBLY_TOP "WNM6002-3/TR" at 128.447,149.797 h0.25 r270
Q5000: PIN_NUMBER "1" at 157.493,146.651 h0.25; PIN_NUMBER "2" at 158.793,146.651 h0.25; PIN_NUMBER "3" at 158.143,148.551 h0.25; ASSEMBLY_TOP "2SK3018" at 157.661,147.601 h0.25 r90
Q5001: PIN_NUMBER "2" at 161.2,146.651 h0.25; PIN_NUMBER "3" at 160.55,148.551 h0.25; PIN_NUMBER "1" at 159.9,146.651 h0.25; ASSEMBLY_TOP "2SK3018" at 160.067,147.601 h0.25 r90
Q5002: PIN_NUMBER "3" at 155.739,148.551 h0.25; PIN_NUMBER "2" at 156.389,146.651 h0.25; PIN_NUMBER "1" at 155.089,146.651 h0.25; ASSEMBLY_TOP "2SK3018" at 155.257,147.601 h0.25 r90
Q5003: PIN_NUMBER "1" at 135.548,146.905 h0.25; PIN_NUMBER "2" at 136.848,146.905 h0.25; PIN_NUMBER "3" at 136.198,148.805 h0.25; ASSEMBLY_TOP "2SK3018" at 135.715,147.855 h0.25 r90
Q5004: PIN_NUMBER "2" at 139.254,146.905 h0.25; PIN_NUMBER "3" at 138.604,148.805 h0.25; PIN_NUMBER "1" at 137.954,146.905 h0.25; ASSEMBLY_TOP "2SK3018" at 138.121,147.855 h0.25 r90
Q5005: PIN_NUMBER "2" at 134.444,146.905 h0.25; PIN_NUMBER "1" at 133.144,146.905 h0.25; PIN_NUMBER "3" at 133.794,148.805 h0.25; ASSEMBLY_TOP "2SK3018" at 133.311,147.855 h0.25 r90
Q5006: PIN_NUMBER "2" at 158.96,146.665 h0.25 r180; PIN_NUMBER "3" at 159.91,148.865 h0.25 r180; PIN_NUMBER "1" at 160.86,146.665 h0.25 r180; ASSEMBLY_TOP "S8050" at 160.011,147.765 h0.25 r180
Q5007: PIN_NUMBER "2" at 159.826,152.372 h0.25 r90; PIN_NUMBER "1" at 159.826,150.472 h0.25 r90; PIN_NUMBER "3" at 162.026,151.422 h0.25 r90; ASSEMBLY_TOP "S8050" at 161.027,151.422 h0.25 r90
Q5008: PIN_NUMBER "2" at 141.078,148.255 h0.25 r180; PIN_NUMBER "3" at 142.028,146.055 h0.25 r180; PIN_NUMBER "1" at 142.978,148.255 h0.25 r180; ASSEMBLY_TOP "S8050" at 142.13,147.155 h0.25 r180
Q5009: PIN_NUMBER "2" at 140.623,149.761 h0.25 r270; PIN_NUMBER "1" at 140.623,151.661 h0.25 r270; PIN_NUMBER "3" at 142.823,150.711 h0.25 r270; ASSEMBLY_TOP "S8050" at 141.825,150.711 h0.25 r270
Q5100: PIN_NUMBER "3" at 117.458,138.722 h0.25 r270; PIN_NUMBER "1" at 119.659,139.672 h0.25 r270; PIN_NUMBER "2" at 119.659,137.772 h0.25 r270; ASSEMBLY_TOP "WPM2015-3/TR" at 117.441,138.595 h0.25 r180
Q5101: PIN_NUMBER "2" at 126.466,138.179 h0.25 r270; PIN_NUMBER "3" at 124.266,139.129 h0.25 r270; PIN_NUMBER "1" at 126.466,140.079 h0.25 r270; ASSEMBLY_TOP "S8050" at 124.959,139.002 h0.25 r180
Q5500: PIN_NUMBER "2" at 93.631,130.815 h0.25 r180; PIN_NUMBER "3" at 94.581,133.015 h0.25 r180; PIN_NUMBER "1" at 95.531,130.815 h0.25 r180; ASSEMBLY_TOP "WPM2015-3/TR" at 93.463,131.788 h0.25 r180
Q5501: PIN_NUMBER "3" at 91.301,139.571 h0.25; PIN_NUMBER "2" at 91.951,137.671 h0.25; PIN_NUMBER "1" at 90.651,137.671 h0.25; ASSEMBLY_TOP "2SK3018" at 90.818,138.621 h0.25 r90
Q5502: PIN_NUMBER "2" at 94.418,137.671 h0.25; PIN_NUMBER "1" at 93.118,137.671 h0.25; PIN_NUMBER "3" at 93.768,139.571 h0.25; ASSEMBLY_TOP "2SK3018" at 93.286,138.621 h0.25 r90
Q5503: PIN_NUMBER "2" at 93.631,124.719 h0.25 r180; PIN_NUMBER "3" at 94.581,126.919 h0.25 r180; PIN_NUMBER "1" at 95.531,124.719 h0.25 r180; ASSEMBLY_TOP "S8050" at 94.175,125.692 h0.25 r180
Q7000: PIN_NUMBER "2" at 129.55,42.874 h0.25 r180; PIN_NUMBER "3" at 130.5,40.674 h0.25 r180; PIN_NUMBER "1" at 131.45,42.874 h0.25 r180; ASSEMBLY_TOP "S8050" at 130.094,41.647 h0.25
Q8400: PIN_NUMBER "1" at -1.864,122.419 h0.25; PIN_NUMBER "3" at -0.914,120.219 h0.25; PIN_NUMBER "2" at 0.036,122.419 h0.25; ASSEMBLY_TOP "WPM3407-3/TR" at -2.032,121.192 h0.25 r180
Q8401: PIN_NUMBER "2" at 3.884,122.895 h0.25 r180; PIN_NUMBER "1" at 5.784,122.895 h0.25 r180; PIN_NUMBER "3" at 4.834,125.095 h0.25 r180; ASSEMBLY_TOP "S8050" at 4.427,123.868 h0.25 r180
Q9000: PIN_NUMBER "2" at 130.325,3.801 h0.25 r180; PIN_NUMBER "3" at 131.275,1.601 h0.25 r180; PIN_NUMBER "1" at 132.225,3.801 h0.25 r180; ASSEMBLY_TOP "S8050" at 130.869,2.574 h0.25
Q9001: PIN_NUMBER "2" at 143.025,3.801 h0.25 r180; PIN_NUMBER "3" at 143.975,1.601 h0.25 r180; PIN_NUMBER "1" at 144.925,3.801 h0.25 r180; ASSEMBLY_TOP "S8050" at 143.569,2.574 h0.25
Q9002: PIN_NUMBER "2" at 136.675,3.801 h0.25 r180; PIN_NUMBER "3" at 137.625,1.601 h0.25 r180; PIN_NUMBER "1" at 138.575,3.801 h0.25 r180; ASSEMBLY_TOP "S8050" at 137.219,2.574 h0.25
Q9500: PIN_NUMBER "2" at 130.62,15.363 h0.25 r270; PIN_NUMBER "1" at 130.62,17.263 h0.25 r270; PIN_NUMBER "3" at 132.82,16.313 h0.25 r270; ASSEMBLY_TOP "S8050" at 131.314,16.186 h0.25
Q9501: PIN_NUMBER "1" at 146.865,34.826 h0.25; PIN_NUMBER "2" at 148.165,34.826 h0.25; PIN_NUMBER "3" at 147.515,36.726 h0.25; ASSEMBLY_TOP "2SK3018" at 147.032,35.776 h0.25 r90
R1100: PIN_NUMBER "2" at 78.597,71.565 h0.25; PIN_NUMBER "1" at 77.697,71.565 h0.25; ASSEMBLY_TOP "22R" at 77.944,71.438 h0.25
R1101: PIN_NUMBER "1" at 78.597,70.549 h0.25 r180; PIN_NUMBER "2" at 77.697,70.549 h0.25 r180; ASSEMBLY_TOP "510K" at 77.842,70.422 h0.25
R1102: PIN_NUMBER "1" at 82.541,68.775 h0.64 r180; PIN_NUMBER "2" at 82.541,69.275 h0.64; ASSEMBLY_TOP "0R" at 82.719,69.025 h0.25 r270
R1103: PIN_NUMBER "1" at 78.597,71.057 h0.25 r180; PIN_NUMBER "2" at 77.697,71.057 h0.25 r180; ASSEMBLY_TOP "0R" at 78.046,70.93 h0.25 r180
R1104: PIN_NUMBER "1" at 80.883,69.787 h0.25 r180; PIN_NUMBER "2" at 79.983,69.787 h0.25 r180; ASSEMBLY_TOP "22R" at 80.23,69.66 h0.25 r180
R1105: PIN_NUMBER "2" at 68.107,70.168 h0.25; PIN_NUMBER "1" at 67.207,70.168 h0.25; ASSEMBLY_TOP "22R" at 67.454,70.041 h0.25
R1106: PIN_NUMBER "1" at 70.215,69.152 h0.25 r180; PIN_NUMBER "2" at 69.315,69.152 h0.25 r180; ASSEMBLY_TOP "22R" at 69.562,69.025 h0.25 r180
R1107: PIN_NUMBER "1" at 70.215,70.168 h0.25 r180; PIN_NUMBER "2" at 69.315,70.168 h0.25 r180; ASSEMBLY_TOP "22R" at 69.562,70.041 h0.25
R1108: PIN_NUMBER "1" at 70.215,70.168 h0.25 r180; PIN_NUMBER "2" at 69.315,70.168 h0.25 r180; ASSEMBLY_TOP "0R" at 69.664,70.041 h0.25 r180
R1109: PIN_NUMBER "1" at 81.518,71.819 h0.25 r180; PIN_NUMBER "2" at 80.618,71.819 h0.25 r180; ASSEMBLY_TOP "100K" at 80.763,71.692 h0.25 r180
R1110: PIN_NUMBER "2" at 70.215,71.184 h0.25; PIN_NUMBER "1" at 69.315,71.184 h0.25; ASSEMBLY_TOP "120K" at 69.46,71.057 h0.25 r180
R1111: PIN_NUMBER "1" at 59.072,71.18 h0.64; PIN_NUMBER "2" at 59.072,70.68 h0.64 r180; ASSEMBLY_TOP "2.2K" at 59.046,70.93 h0.25 r270
R1112: PIN_NUMBER "1" at 59.834,71.18 h0.64; PIN_NUMBER "2" at 59.834,70.68 h0.64 r180; ASSEMBLY_TOP "2.2K" at 59.808,70.93 h0.25 r270
R1113: PIN_NUMBER "1" at 74.909,70.613 h0.25 r225; PIN_NUMBER "2" at 74.273,69.976 h0.25 r225; ASSEMBLY_TOP "100K" at 74.286,70.168 h0.25 r180
R1114: PIN_NUMBER "2" at 72.876,68.579 h0.25 r225; PIN_NUMBER "1" at 73.512,69.216 h0.25 r225; ASSEMBLY_TOP "120K" at 72.889,68.771 h0.25 r180
R1115: PIN_NUMBER "1" at 63.292,48.756 h0.64 r90; PIN_NUMBER "2" at 63.792,48.756 h0.64 r270; ASSEMBLY_TOP "2.2K" at 63.39,48.629 h0.25 r180
R1116: PIN_NUMBER "1" at 65.723,48.756 h0.64 r270; PIN_NUMBER "2" at 65.222,48.756 h0.64 r90; ASSEMBLY_TOP "2.2K" at 65.32,48.629 h0.25 r180
R1117: PIN_NUMBER "1" at 60.469,69.664 h0.64 r180; PIN_NUMBER "2" at 60.469,70.164 h0.64; ASSEMBLY_TOP "2.2K" at 60.443,69.914 h0.25 r270
R1118: PIN_NUMBER "1" at 61.104,69.664 h0.64 r180; PIN_NUMBER "2" at 61.104,70.164 h0.64; ASSEMBLY_TOP "2.2K" at 61.078,69.914 h0.25 r270
R1200: PIN_NUMBER "2" at 99.97,72.733 h0.64 r90; PIN_NUMBER "1" at 100.47,72.733 h0.64 r270; ASSEMBLY_TOP "240R" at 100.067,72.606 h0.25 r180
R1201: PIN_NUMBER "1" at 100.829,65.828 h0.64 r180; PIN_NUMBER "2" at 100.829,66.329 h0.64; ASSEMBLY_TOP "240R" at 100.804,66.078 h0.25 r270
R1202: PIN_NUMBER "1" at 100.194,66.329 h0.64; PIN_NUMBER "2" at 100.194,65.828 h0.64 r180; ASSEMBLY_TOP "240R" at 100.169,66.078 h0.25 r270
R1203: PIN_NUMBER "1" at 93.162,64.961 h0.64 r90; PIN_NUMBER "2" at 93.663,64.961 h0.64 r270; ASSEMBLY_TOP "240R" at 93.26,64.834 h0.25 r180
R1204: PIN_NUMBER "2" at 116.083,56.198 h0.25; PIN_NUMBER "1" at 114.633,56.198 h0.25; ASSEMBLY_TOP "0R" at 115.257,56.071 h0.25 r180
R1205: PIN_NUMBER "2" at 116.57,57.468 h0.25; PIN_NUMBER "1" at 115.67,57.468 h0.25; ASSEMBLY_TOP "0R" at 116.019,57.341 h0.25 r180
R1300: PIN_NUMBER "1" at 70.215,78.169 h0.25 r180; PIN_NUMBER "2" at 69.315,78.169 h0.25 r180; ASSEMBLY_TOP "0R" at 69.664,78.042 h0.25 r180
R1301: PIN_NUMBER "1" at 70.215,77.026 h0.25 r180; PIN_NUMBER "2" at 69.315,77.026 h0.25 r180; ASSEMBLY_TOP "0R" at 69.664,76.899 h0.25 r180
R1302: PIN_NUMBER "2" at 69.315,72.2 h0.25 r180; PIN_NUMBER "1" at 70.215,72.2 h0.25 r180; ASSEMBLY_TOP "0R" at 69.664,72.073 h0.25 r180
R1303: PIN_NUMBER "1" at 70.215,79.312 h0.25 r180; PIN_NUMBER "2" at 69.315,79.312 h0.25 r180; ASSEMBLY_TOP "0R" at 69.664,79.185 h0.25 r180
R1304: PIN_NUMBER "1" at 72.374,75.883 h0.25 r180; PIN_NUMBER "2" at 71.474,75.883 h0.25 r180; ASSEMBLY_TOP "0R" at 71.823,75.756 h0.25 r180
R1305: PIN_NUMBER "2" at 65.505,77.153 h0.25 r180; PIN_NUMBER "1" at 66.405,77.153 h0.25 r180; ASSEMBLY_TOP "0R" at 65.854,77.026 h0.25
R1306: PIN_NUMBER "2" at 65.505,78.423 h0.25 r180; PIN_NUMBER "1" at 66.405,78.423 h0.25 r180; ASSEMBLY_TOP "0R" at 65.854,78.296 h0.25
R1307: PIN_NUMBER "1" at 70.215,73.343 h0.25 r180; PIN_NUMBER "2" at 69.315,73.343 h0.25 r180; ASSEMBLY_TOP "0R" at 69.664,73.216 h0.25 r180
R1308: PIN_NUMBER "2" at 69.315,75.883 h0.25 r180; PIN_NUMBER "1" at 70.215,75.883 h0.25 r180; ASSEMBLY_TOP "0R" at 69.664,75.756 h0.25
R1309: PIN_NUMBER "2" at 69.315,78.169 h0.25 r180; PIN_NUMBER "1" at 70.215,78.169 h0.25 r180; ASSEMBLY_TOP "0R" at 69.664,78.042 h0.25
R1310: PIN_NUMBER "2" at 78.459,72.962 h0.25 r180; PIN_NUMBER "1" at 79.359,72.962 h0.25 r180; ASSEMBLY_TOP "0R" at 78.808,72.835 h0.25
R1311: PIN_NUMBER "2" at 69.315,77.026 h0.25 r180; PIN_NUMBER "1" at 70.215,77.026 h0.25 r180; ASSEMBLY_TOP "0R" at 69.664,76.899 h0.25
R1312: PIN_NUMBER "1" at 72.501,78.169 h0.25 r180; PIN_NUMBER "2" at 71.601,78.169 h0.25 r180; ASSEMBLY_TOP "0R" at 71.95,78.042 h0.25
R1313: PIN_NUMBER "2" at 69.315,72.2 h0.25 r180; PIN_NUMBER "1" at 70.215,72.2 h0.25 r180; ASSEMBLY_TOP "0R" at 69.664,72.073 h0.25
R1314: PIN_NUMBER "2" at 69.315,79.312 h0.25 r180; PIN_NUMBER "1" at 70.215,79.312 h0.25 r180; ASSEMBLY_TOP "0R" at 69.664,79.185 h0.25
R1315: PIN_NUMBER "2" at 71.474,75.883 h0.25 r180; PIN_NUMBER "1" at 72.374,75.883 h0.25 r180; ASSEMBLY_TOP "0R" at 71.823,75.756 h0.25
R1316: PIN_NUMBER "2" at 69.315,73.343 h0.25 r180; PIN_NUMBER "1" at 70.215,73.343 h0.25 r180; ASSEMBLY_TOP "0R" at 69.664,73.216 h0.25
R1400: PIN_NUMBER "2" at 96.156,83.626 h0.64; PIN_NUMBER "1" at 96.156,83.126 h0.64 r180; ASSEMBLY_TOP "200R" at 96.13,83.376 h0.25 r270
R1401: PIN_NUMBER "2" at 93.112,79.413 h0.64 r90; PIN_NUMBER "1" at 93.612,79.413 h0.64 r270; ASSEMBLY_TOP "8.2K" at 93.209,79.286 h0.25 r180
R1402: PIN_NUMBER "2" at 100.347,84.134 h0.64; PIN_NUMBER "1" at 100.347,83.634 h0.64 r180; ASSEMBLY_TOP "200R" at 100.321,83.884 h0.25 r270
R1403: PIN_NUMBER "2" at 99.665,78.555 h0.64 r180; PIN_NUMBER "1" at 99.665,79.056 h0.64; ASSEMBLY_TOP "200R" at 99.639,78.806 h0.25 r270
R1404: PIN_NUMBER "2" at 99.665,80.256 h0.64; PIN_NUMBER "1" at 99.665,79.755 h0.64 r180; ASSEMBLY_TOP "200R" at 99.639,80.005 h0.25 r270
R1405: PIN_NUMBER "2" at 93.112,78.778 h0.64 r90; PIN_NUMBER "1" at 93.612,78.778 h0.64 r270; ASSEMBLY_TOP "8.2K" at 93.209,78.651 h0.25 r180
R1500: PIN_NUMBER "2" at 36.571,76.34 h0.64 r270; PIN_NUMBER "1" at 37.072,76.34 h0.64 r90; ASSEMBLY_TOP "2.2K" at 36.669,76.213 h0.25
R1501: PIN_NUMBER "2" at 37.181,78.474 h0.64 r270; PIN_NUMBER "1" at 37.681,78.474 h0.64 r90; ASSEMBLY_TOP "2.2K" at 37.279,78.347 h0.25
R1502: PIN_NUMBER "2" at 91.286,83.35 h0.25 r180; PIN_NUMBER "1" at 92.186,83.35 h0.25 r180; ASSEMBLY_TOP "10K" at 91.533,83.223 h0.25 r180
R1503: PIN_NUMBER "1" at 94.479,85.324 h0.25 r270; PIN_NUMBER "2" at 94.479,84.424 h0.25 r270; ASSEMBLY_TOP "100K" at 94.302,84.874 h0.25 r270
R1504: PIN_NUMBER "2" at 72.157,82.868 h0.64 r270; PIN_NUMBER "1" at 72.657,82.868 h0.64 r90; ASSEMBLY_TOP "0R" at 72.458,82.753 h0.25
R1505: PIN_NUMBER "2" at 70.76,82.36 h0.64 r270; PIN_NUMBER "1" at 71.26,82.36 h0.64 r90; ASSEMBLY_TOP "0R" at 71.061,82.245 h0.25
R1506: PIN_NUMBER "2" at 72.157,84.773 h0.64 r270; PIN_NUMBER "1" at 72.657,84.773 h0.64 r90; ASSEMBLY_TOP "0R" at 72.458,84.658 h0.25
R1507: PIN_NUMBER "2" at 72.157,83.757 h0.64 r270; PIN_NUMBER "1" at 72.657,83.757 h0.64 r90; ASSEMBLY_TOP "0R" at 72.458,83.642 h0.25
R1508: PIN_NUMBER "2" at 70.76,83.249 h0.64 r270; PIN_NUMBER "1" at 71.26,83.249 h0.64 r90; ASSEMBLY_TOP "0R" at 71.061,83.134 h0.25
R1509: PIN_NUMBER "2" at 70.76,84.265 h0.64 r270; PIN_NUMBER "1" at 71.26,84.265 h0.64 r90; ASSEMBLY_TOP "0R" at 71.061,84.15 h0.25
R1510: PIN_NUMBER "2" at 93.928,83.147 h0.25 r180; PIN_NUMBER "1" at 94.828,83.147 h0.25 r180; ASSEMBLY_TOP "DNP" at 94.175,83.02 h0.25 r180
R1511: PIN_NUMBER "2" at 83.307,76.01 h0.64 r90; PIN_NUMBER "1" at 83.808,76.01 h0.64 r270; ASSEMBLY_TOP "0R" at 83.303,75.692 h0.64 r180
R1512: PIN_NUMBER "2" at 70.76,85.408 h0.64 r270; PIN_NUMBER "1" at 71.26,85.408 h0.64 r90; ASSEMBLY_TOP "0R" at 71.01,85.382 h0.25
R1513: PIN_NUMBER "2" at 72.157,81.598 h0.64 r270; PIN_NUMBER "1" at 72.657,81.598 h0.64 r90; ASSEMBLY_TOP "0R" at 72.458,81.483 h0.25
R1514: PIN_NUMBER "1" at 158.139,90.361 h0.25; PIN_NUMBER "2" at 159.039,90.361 h0.25; ASSEMBLY_TOP "100R" at 158.284,90.234 h0.25
R1700: PIN_NUMBER "2" at 154.032,147.155 h0.64 r90; PIN_NUMBER "1" at 153.532,147.155 h0.64 r270; ASSEMBLY_TOP "499R" at 153.63,147.028 h0.25
R1701: PIN_NUMBER "1" at 152.838,147.155 h0.64 r90; PIN_NUMBER "2" at 152.338,147.155 h0.64 r270; ASSEMBLY_TOP "499R" at 152.436,147.028 h0.25
R1702: PIN_NUMBER "1" at 149.03,150.076 h0.64 r270; PIN_NUMBER "2" at 149.53,150.076 h0.64 r90; ASSEMBLY_TOP "499R" at 149.127,149.949 h0.25
R1703: PIN_NUMBER "1" at 148.336,150.076 h0.64 r90; PIN_NUMBER "2" at 147.836,150.076 h0.64 r270; ASSEMBLY_TOP "499R" at 147.934,149.949 h0.25
R1704: PIN_NUMBER "1" at 150.53,147.155 h0.64 r270; PIN_NUMBER "2" at 151.03,147.155 h0.64 r90; ASSEMBLY_TOP "499R" at 150.627,147.028 h0.25
R1705: PIN_NUMBER "2" at 149.336,147.155 h0.64 r270; PIN_NUMBER "1" at 149.836,147.155 h0.64 r90; ASSEMBLY_TOP "499R" at 149.434,147.028 h0.25
R1706: PIN_NUMBER "1" at 152.032,150.076 h0.64 r270; PIN_NUMBER "2" at 152.532,150.076 h0.64 r90; ASSEMBLY_TOP "499R" at 152.13,149.949 h0.25
R1707: PIN_NUMBER "2" at 150.838,150.076 h0.64 r270; PIN_NUMBER "1" at 151.339,150.076 h0.64 r90; ASSEMBLY_TOP "499R" at 150.936,149.949 h0.25
R1708: PIN_NUMBER "2" at 103.344,82.991 h0.64; PIN_NUMBER "1" at 103.344,82.491 h0.64 r180; ASSEMBLY_TOP "8.2K" at 103.319,82.741 h0.25 r270
R1709: PIN_NUMBER "1" at 131.078,147.155 h0.64 r270; PIN_NUMBER "2" at 131.579,147.155 h0.64 r90; ASSEMBLY_TOP "499R" at 131.176,147.028 h0.25
R1710: PIN_NUMBER "1" at 130.385,147.155 h0.64 r90; PIN_NUMBER "2" at 129.884,147.155 h0.64 r270; ASSEMBLY_TOP "499R" at 129.982,147.028 h0.25
R1711: PIN_NUMBER "2" at 127.076,150.076 h0.64 r90; PIN_NUMBER "1" at 126.576,150.076 h0.64 r270; ASSEMBLY_TOP "499R" at 126.674,149.949 h0.25
R1712: PIN_NUMBER "2" at 125.382,150.076 h0.64 r270; PIN_NUMBER "1" at 125.883,150.076 h0.64 r90; ASSEMBLY_TOP "499R" at 125.48,149.949 h0.25